# Altium PCB fastic-readout.PcbDoc (part 2 of 6)
Units mm, origin at the board's own origin, x right, y up, seen from the top; angles counter-clockwise.
Board outline 60 x 60 mm, 8 copper layers (Top Layer, L02-GND, L03-PWR, L04- Signal, L05 - Signal, L06-PWR, L07-GND, Bottom Layer), stack 1.566 mm thick; 378 components, 394 nets, 1536 pads, 1082 vias.
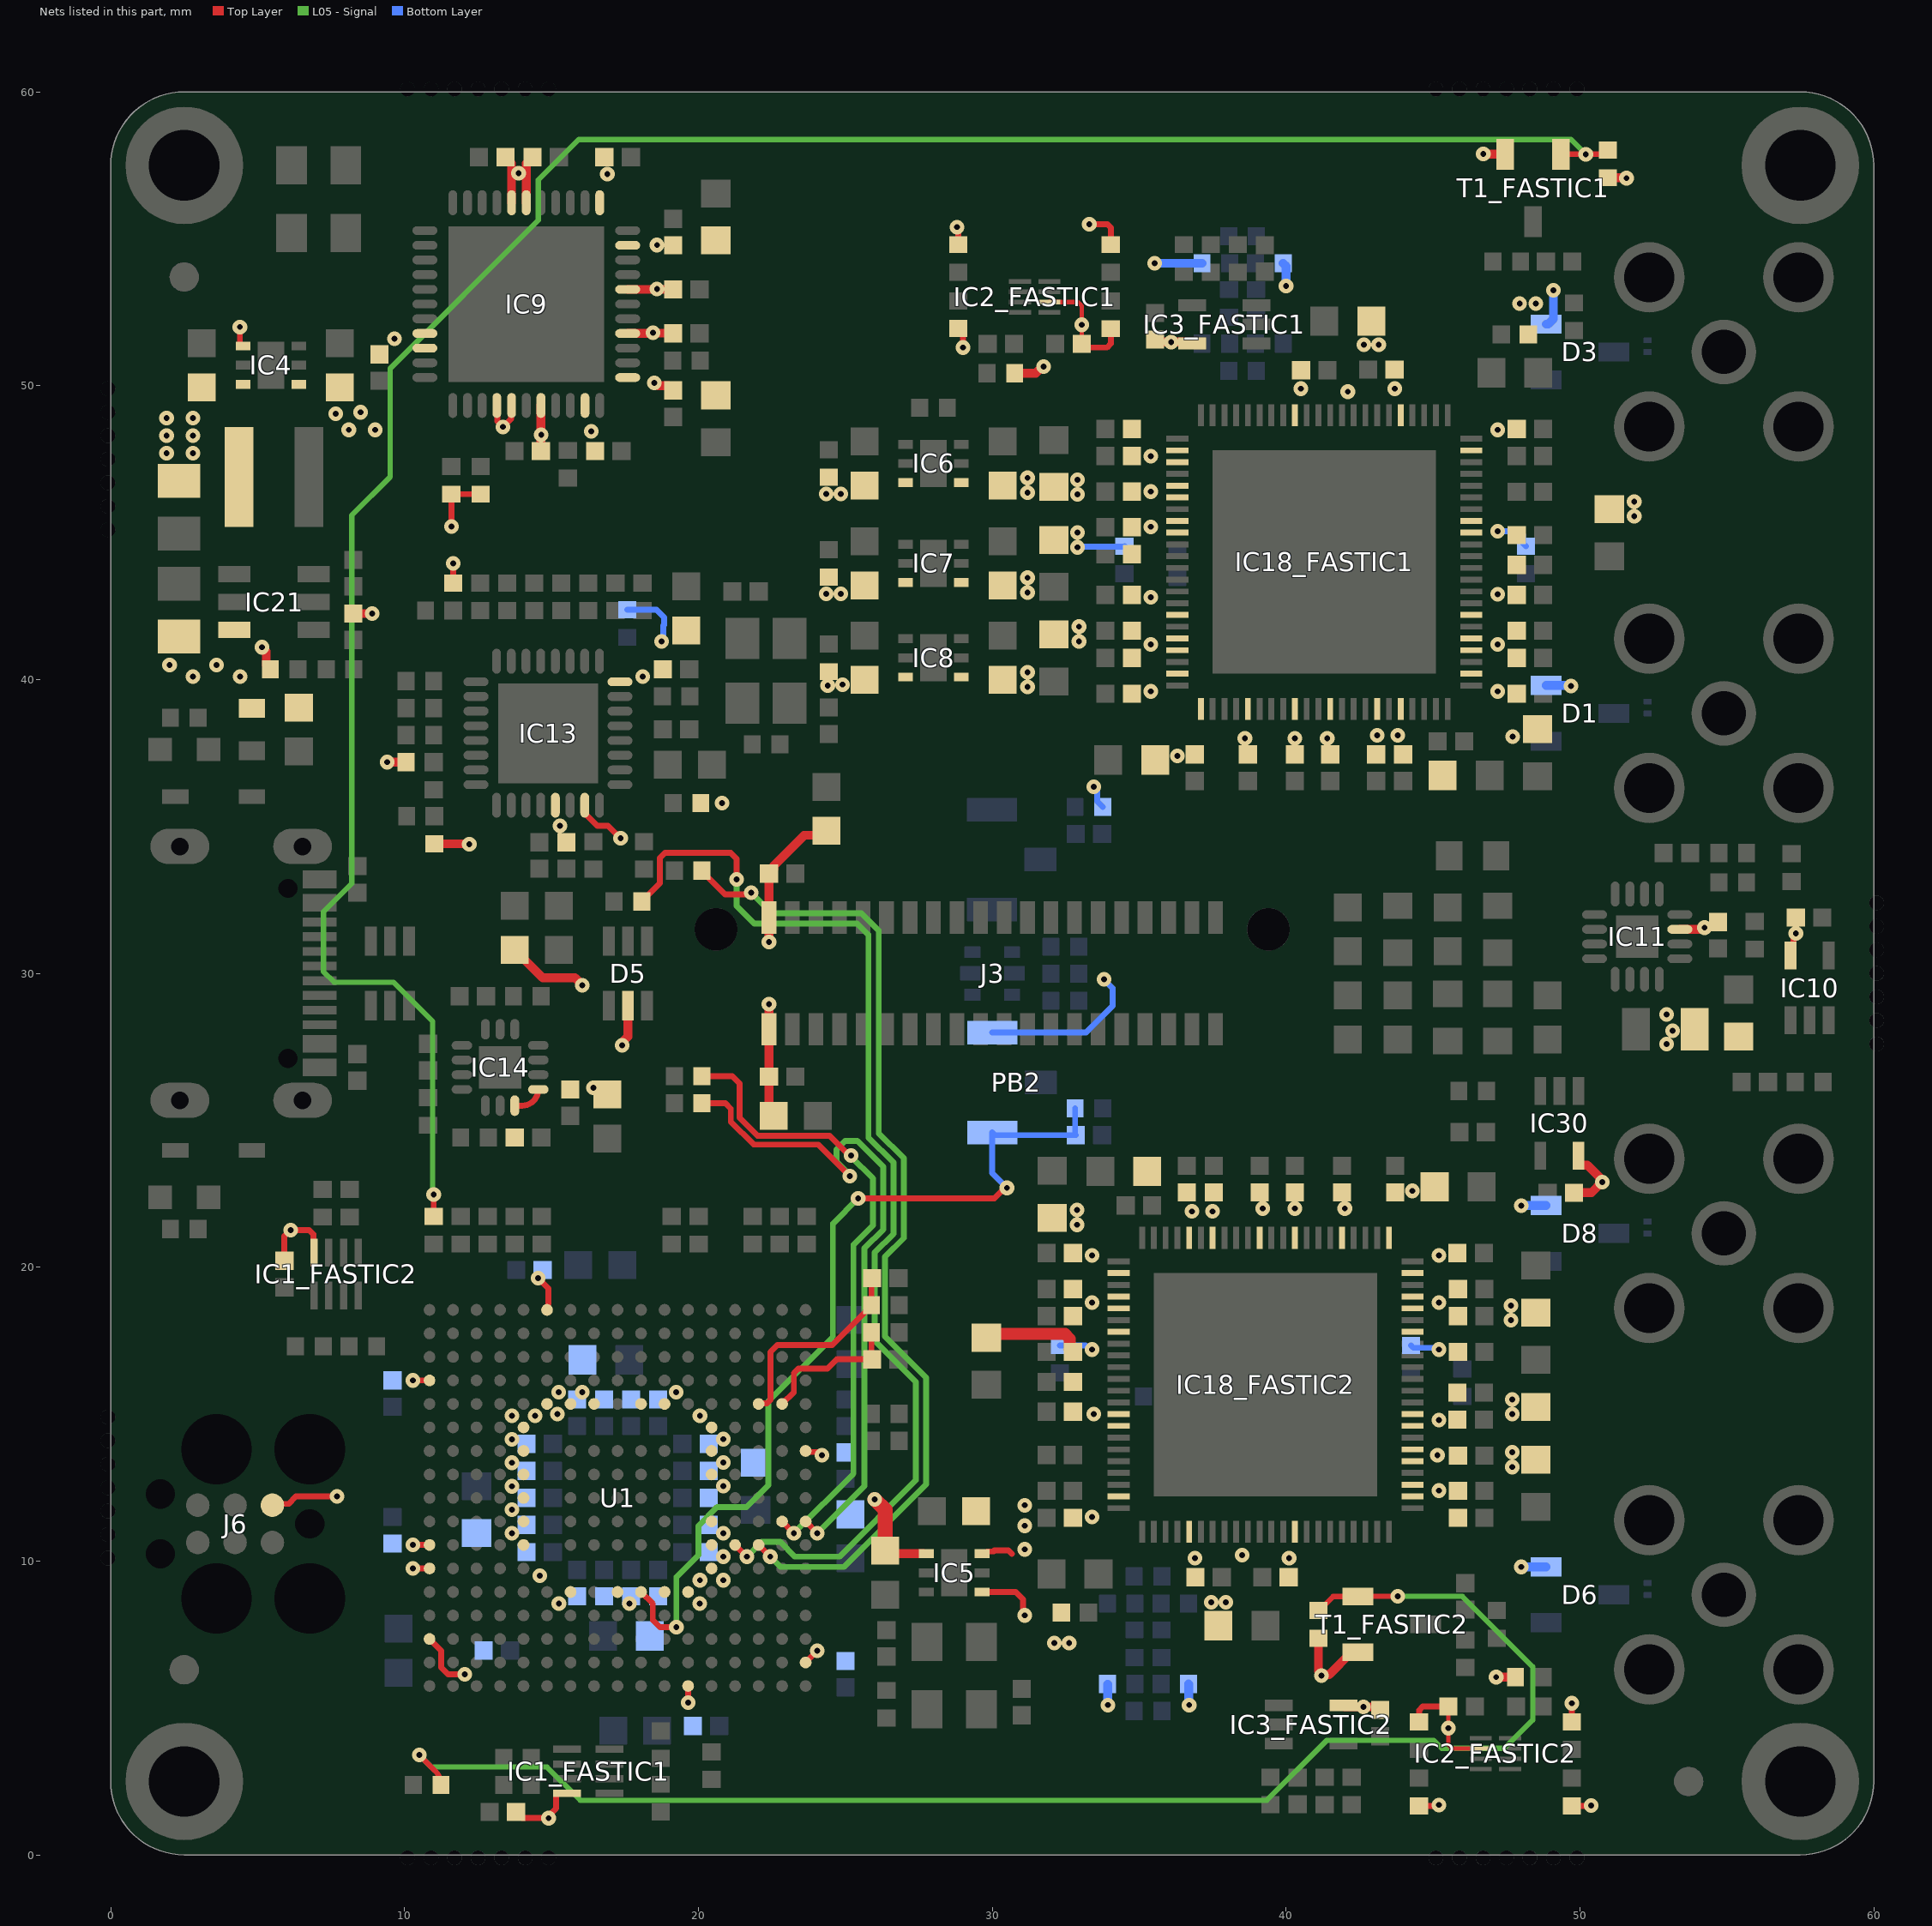
[diagram p8: the nets of this part, all layers, seen from the top]

## Footprints (in the part's own frame and the unit in brackets; to place one, negate y for a bottom-side part, rotate by r counter-clockwise, add the part's x,y. Pads: shape width x height; smd on the part's side, far side on the other; paste and mask are expansions set on the pad) (continued)
RESC1005X40N#2 [mm] "Chip Resistor, EIA 0402, Metric 1005, Body 1.0x0.5mm, IPC Medium Density"
  rect 0.62x0.62 smd: 1(-0.47,0)
  rect 0.58x0.62 smd: 2(0.47,0)
  body extent -0.52,-0.27 0.53,0.28, height 0.4
RESC1608X55N [mm] "Chip Resistor, EIA 0603, Metric 1608, Body 1.6x0.8mm, IPC Medium Density"
  rect 0.9x1 smd: 1(-0.8,0) 2(0.8,0)
  body extent -0.87,-0.47 0.88,0.48, height 0.55
SAMTEC_ERM8-020-X-X-DV [mm]
  rect 0.5x1.1 smd: 01(-7.6,1.9) 02(-7.6,-1.9) 03(-6.8,1.9) 04(-6.8,-1.9) 05(-6,1.9) 06(-6,-1.9) 07(-5.2,1.9) 08(-5.2,-1.9) 09(-4.4,1.9) 10(-4.4,-1.9) 11(-3.6,1.9) 12(-3.6,-1.9) 13(-2.8,1.9) 14(-2.8,-1.9) 15(-2,1.9) 16(-2,-1.9) 17(-1.2,1.9) 18(-1.2,-1.9) 19(-0.4,1.9) 20(-0.4,-1.9) 21(0.4,1.9) 22(0.4,-1.9) 23(1.2,1.9) 24(1.2,-1.9) 25(2,1.9) 26(2,-1.9) 27(2.8,1.9) 28(2.8,-1.9) 29(3.6,1.9) 30(3.6,-1.9) 31(4.4,1.9) 32(4.4,-1.9) 33(5.2,1.9) 34(5.2,-1.9) 35(6,1.9) 36(6,-1.9) 37(6.8,1.9) 38(6.8,-1.9) 39(7.6,1.9) 40(7.6,-1.9)
  round 1.45 hole 1.45 unplated: ""(-9.4,-1.5) ""(9.4,-1.5)
  silkscreen extent -11,-2.8 11,3.6, body extent -11,-2.8 11,2.8, height 12.7
SOD962-2 [mm]
  rect 0.2x0.28 smd paste-0.025 mask-0.025: 1(-0.2,0) 2(0.2,0)
  body extent -0.2,-0.1 0.2,0.1, height 0.15
SOD2512X110N [mm] "Small Outline Diode (SOD-323), 1.70mm W X 1.25mm L X 1.10mm H body,  IPC Medium Density"
  rect 0.9x0.5 smd: 1(-1.3,0) 2(1.3,0)
  silkscreen extent -1.63,-0.65 0.85,0.87, body extent -1.35,-0.67 1.35,0.68, height 1.1
SON35P100X140X40-8N [mm] "SON, 0.35mm pitch, 8 pin, 1.4mm X 1mm X 0.4mm H body,  IPC Medium Density"
  rect 0.75x0.15 smd: 1(-0.5,0.525) 2(-0.5,0.175) 3(-0.5,-0.175) 4(-0.5,-0.525) 5(0.5,-0.525) 6(0.5,-0.175) 7(0.5,0.175) 8(0.5,0.525)
  silkscreen extent -1.48,0.4 -1.23,0.65, body extent -0.52,-0.72 0.53,0.73, height 0.4
SOT65P210X110-5N [mm] "SOT353, SC70-5, SOT, 0.65mm Pitch, 5 Pin, 1.25mm W X 2.00mm L X 1.10mm H, IPC Medium Density"
  rect 0.95x0.4 smd: 1(-1.1,0.65) 2(-1.1,0) 3(-1.1,-0.65) 4(1.1,-0.65) 5(1.1,0.65)
  silkscreen extent -1.43,-1 0.3,1.47, body extent -1.2,-1.1 1.2,1.1, height 1.1
SOT65P220X110-6N [mm] "SOT363, 0.65mm pitch; 6 pin, 1.25mm W X 2mm L, IPC Medium Density"
  rect 1x0.4 smd: 1(-1.1,0.65) 2(-1.1,0) 3(-1.1,-0.65) 4(1.1,-0.65) 5(1.1,0) 6(1.1,0.65)
  silkscreen extent -1.47,-1 0.28,1.48, body extent -1.2,-1.1 1.2,1.1, height 1.1
SOT95P237X112-3N [mm] "SOT, 0.95mm, pitch; 3 pin,1.30mm W X 2.92mm L X 1.12mm H body, IPC Medium Density"
  rect 1.05x0.6 smd: 1(-1.15,0.95) 2(-1.15,-0.95) 3(1.15,0)
  silkscreen extent -1.52,-1.45 0.3,1.88, body extent -1.25,-1.5 1.25,1.5, height 1.1
SOT95P240X110-3N [mm] "SOT23 3-Leads, Pitch 0.95mm, Body 1.3x2.9mm, IPC Medium Density"
  rect 1.05x0.65 smd: 1(-1.15,0.95) 2(-1.15,-0.95) 3(1.15,0)
  silkscreen extent -1.52,-1.45 0.3,1.92, body extent -1.25,-1.5 1.25,1.5, height 1.1
SOT95P280X100-6N [mm]
  rect 1.1x0.55 smd: 1(-1.35,0.95) 2(-1.35,0) 3(-1.35,-0.95) 4(1.35,-0.95) 5(1.35,0) 6(1.35,0.95)
  silkscreen extent -1.77,-1.45 0.48,1.87, body extent -1.4,-1.5 1.4,1.5, height 1
TC2030-MCP [mm] "TAG-CONNECT IN-CIRCUIT Cable Legged"
  round 0.8 smd paste-0.4: 1(-1.27,-0.635) 2(-1.27,0.635) 3(0,-0.635) 4(0,0.635) 5(1.27,-0.635) 6(1.27,0.635)
  round 0.5 hole 2.4 unplated mask+0.95: Mech(-2.54,2.54) Mech(-2.54,-2.54) Mech(0.635,2.54) Mech(0.635,-2.54)
  round 0.5 hole 1 unplated mask+0.25: Mech(-2.54,0) Mech(2.54,-1.016) Mech(2.54,1.016)
  Top Layer keep-out region: -0.876,-0.724 -0.876,-0.241 -1.27,-0.241 -1.27,0.241 -0.876,0.241 -0.876,0.635 -0.394,0.635 -0.394,0.241 0.394,0.241 0.394,0.635 0.876,0.635 0.876,0.241 1.27,0.241 1.27,-0.241 0.876,-0.241 0.876,-0.635 0.394,-0.635 0.394,-0.241 -0.394,-0.241 -0.394,-0.724
TFBGA240+25_STM [mm]
  round 0.4 smd paste+0 mask+0: A1(-6.4,6.4) A2(-5.6,6.4) A3(-4.8,6.4) A4(-4,6.4) A5(-3.2,6.4) A6(-2.4,6.4) A7(-1.6,6.4) A8(-0.8,6.4) A9(0,6.4) A10(0.8,6.4) A11(1.6,6.4) A12(2.4,6.4) A13(3.2,6.4) A14(4,6.4) A15(4.8,6.4) A16(5.6,6.4) A17(6.4,6.4) B1(-6.4,5.6) B2(-5.6,5.6) B3(-4.8,5.6) B4(-4,5.6) B5(-3.2,5.6) B6(-2.4,5.6) B7(-1.6,5.6) B8(-0.8,5.6) B9(0,5.6) B10(0.8,5.6) B11(1.6,5.6) B12(2.4,5.6) B13(3.2,5.6) B14(4,5.6) B15(4.8,5.6) B16(5.6,5.6) B17(6.4,5.6) C1(-6.4,4.8) C2(-5.6,4.8) C3(-4.8,4.8) C4(-4,4.8) C5(-3.2,4.8) C6(-2.4,4.8) C7(-1.6,4.8) C8(-0.8,4.8) C9(0,4.8) C10(0.8,4.8) C11(1.6,4.8) C12(2.4,4.8) C13(3.2,4.8) C14(4,4.8) C15(4.8,4.8) C16(5.6,4.8) C17(6.4,4.8) D1(-6.4,4) D2(-5.6,4) D3(-4.8,4) D4(-4,4) D5(-3.2,4) D6(-2.4,4) D7(-1.6,4) D8(-0.8,4) D9(0,4) D10(0.8,4) D11(1.6,4) D12(2.4,4) D13(3.2,4) D14(4,4) D15(4.8,4) D16(5.6,4) D17(6.4,4) E1(-6.4,3.2) E2(-5.6,3.2) E3(-4.8,3.2) E4(-4,3.2) E5(-3.2,3.2) E6(-2.4,3.2) E7(-1.6,3.2) E8(-0.8,3.2) E9(0,3.2) E10(0.8,3.2) E11(1.6,3.2) E12(2.4,3.2) E13(3.2,3.2) E14(4,3.2) E15(4.8,3.2) E16(5.6,3.2) E17(6.4,3.2) F1(-6.4,2.4) F2(-5.6,2.4) F3(-4.8,2.4) F4(-4,2.4) F5(-3.2,2.4) F13(3.2,2.4) F14(4,2.4) F15(4.8,2.4) F16(5.6,2.4) F17(6.4,2.4) G1(-6.4,1.6) G2(-5.6,1.6) G3(-4.8,1.6) G4(-4,1.6) G5(-3.2,1.6) G7(-1.6,1.6) G8(-0.8,1.6) G9(0,1.6) G10(0.8,1.6) G11(1.6,1.6) G13(3.2,1.6) G14(4,1.6) G15(4.8,1.6) G16(5.6,1.6) G17(6.4,1.6) H1(-6.4,0.8) H2(-5.6,0.8) H3(-4.8,0.8) H4(-4,0.8) H5(-3.2,0.8) H7(-1.6,0.8) H8(-0.8,0.8) H9(0,0.8) H10(0.8,0.8) H11(1.6,0.8) H13(3.2,0.8) H14(4,0.8) H15(4.8,0.8) H16(5.6,0.8) H17(6.4,0.8) J1(-6.4,0) J2(-5.6,0) J3(-4.8,0) J4(-4,0) J5(-3.2,0) J7(-1.6,0) J8(-0.8,0) J9(0,0) J10(0.8,0) J11(1.6,0) J13(3.2,0) J14(4,0) J15(4.8,0) J16(5.6,0) J17(6.4,0) K1(-6.4,-0.8) K2(-5.6,-0.8) K3(-4.8,-0.8) K4(-4,-0.8) K5(-3.2,-0.8) K7(-1.6,-0.8) K8(-0.8,-0.8) K9(0,-0.8) K10(0.8,-0.8) K11(1.6,-0.8) K13(3.2,-0.8) K14(4,-0.8) K15(4.8,-0.8) K16(5.6,-0.8) K17(6.4,-0.8) L1(-6.4,-1.6) L2(-5.6,-1.6) L3(-4.8,-1.6) L4(-4,-1.6) L5(-3.2,-1.6) L7(-1.6,-1.6) L8(-0.8,-1.6) L9(0,-1.6) L10(0.8,-1.6) L11(1.6,-1.6) L13(3.2,-1.6) L14(4,-1.6) L15(4.8,-1.6) L16(5.6,-1.6) L17(6.4,-1.6) M1(-6.4,-2.4) M2(-5.6,-2.4) M3(-4.8,-2.4) M4(-4,-2.4) M5(-3.2,-2.4) M13(3.2,-2.4) M14(4,-2.4) M15(4.8,-2.4) M16(5.6,-2.4) M17(6.4,-2.4) N1(-6.4,-3.2) N2(-5.6,-3.2) N3(-4.8,-3.2) N4(-4,-3.2) N5(-3.2,-3.2) N6(-2.4,-3.2) N7(-1.6,-3.2) N8(-0.8,-3.2) N9(0,-3.2) N10(0.8,-3.2) N11(1.6,-3.2) N12(2.4,-3.2) N13(3.2,-3.2) N14(4,-3.2) N15(4.8,-3.2) N16(5.6,-3.2) N17(6.4,-3.2) P1(-6.4,-4) P2(-5.6,-4) P3(-4.8,-4) P4(-4,-4) P5(-3.2,-4) P6(-2.4,-4) P7(-1.6,-4) P8(-0.8,-4) P9(0,-4) P10(0.8,-4) P11(1.6,-4) P12(2.4,-4) P13(3.2,-4) P14(4,-4) P15(4.8,-4) P16(5.6,-4) P17(6.4,-4) R1(-6.4,-4.8) R2(-5.6,-4.8) R3(-4.8,-4.8) R4(-4,-4.8) R5(-3.2,-4.8) R6(-2.4,-4.8) R7(-1.6,-4.8) R8(-0.8,-4.8) R9(0,-4.8) R10(0.8,-4.8) R11(1.6,-4.8) R12(2.4,-4.8) R13(3.2,-4.8) R14(4,-4.8) R15(4.8,-4.8) R16(5.6,-4.8) R17(6.4,-4.8) T1(-6.4,-5.6) T2(-5.6,-5.6) T3(-4.8,-5.6) T4(-4,-5.6) T5(-3.2,-5.6) T6(-2.4,-5.6) T7(-1.6,-5.6) T8(-0.8,-5.6) T9(0,-5.6) T10(0.8,-5.6) T11(1.6,-5.6) T12(2.4,-5.6) T13(3.2,-5.6) T14(4,-5.6) T15(4.8,-5.6) T16(5.6,-5.6) T17(6.4,-5.6) U1(-6.4,-6.4) U2(-5.6,-6.4) U3(-4.8,-6.4) U4(-4,-6.4) U5(-3.2,-6.4) U6(-2.4,-6.4) U7(-1.6,-6.4) U8(-0.8,-6.4) U9(0,-6.4) U10(0.8,-6.4) U11(1.6,-6.4) U12(2.4,-6.4) U13(3.2,-6.4) U14(4,-6.4) U15(4.8,-6.4) U16(5.6,-6.4) U17(6.4,-6.4)
  silkscreen extent -7.75,-7.33 7.33,7.75, body extent -7.07,-7.07 7.07,7.07, height 1.1
TPS746 [mm]
  rect 0.5x0.3 smd: 1(-0.95,0.65) 2(-0.95,0) 3(-0.95,-0.65) 4(0.95,-0.65) 5(0.95,0) 6(0.95,0.65)
  rect 0.9x1.6 smd: 7(0,0)
  silkscreen extent -1.63,1.03 -1.38,1.27, body extent -1.05,-1.05 1.05,1.05, height 0.77
XTAL_EPSON_TSX-3225 [mm] "Crystal TSX-3225 Serie, Corner Concave; 4 pin, 2.50mm L X 3.2mm W X 0.6mm H"
  rect 1.15x1.4 smd: 1(-0.8,1.1) 2(-0.8,-1.1) 3(0.8,-1.1) 4(0.8,1.1)
  silkscreen extent -1.48,2.28 -1.23,2.52, body extent -1.25,-1.6 1.25,1.6, height 0.6
XTAL_KYOCERA_CX3225SB [mm] "SMD Crystal Kyocera, 4 Pin, 3.2mm L X 2.5mm W X 0.6mm H"
  rect 1.05x1.3 smd: 1(-0.925,1.15) 2(-0.925,-1.15) 3(0.925,-1.15) 4(0.925,1.15)
  silkscreen extent -2.13,-1.65 1.3,1.72, body extent -1.3,-1.65 1.3,1.65, height 0.6

## Part data
C1 C2 C8_FASTIC1 C8_FASTIC2 C9_FASTIC1 C9_FASTIC2 C10_FASTIC1 C10_FASTIC2 C11_FASTIC1 C11_FASTIC2 C12 C13 C14 C15 C16 C17 C35 C36 C37 C38 C40 C41 C42 C43 C44 C45 C48 C49 C51_FASTIC1 C51_FASTIC2 C52_FASTIC1 C52_FASTIC2 C53_FASTIC1 C53_FASTIC2 C54_FASTIC1 C54_FASTIC2 C55_FASTIC1 C55_FASTIC2 C56_FASTIC1 C56_FASTIC2 C57_FASTIC1 C57_FASTIC2 C58_FASTIC1 C58_FASTIC2 C61_FASTIC1 C61_FASTIC2 C62_FASTIC1 C62_FASTIC2 C63_FASTIC1 C63_FASTIC2 C64_FASTIC1 C64_FASTIC2 C65_FASTIC1 C65_FASTIC2 C66_FASTIC1 C66_FASTIC2 C70_FASTIC1 C70_FASTIC2 C71_FASTIC1 C71_FASTIC2 C72_FASTIC1 C72_FASTIC2 C73_FASTIC1 C73_FASTIC2 C75 C77_FASTIC1 C77_FASTIC2 C78_FASTIC1 C78_FASTIC2 C80_FASTIC1 C80_FASTIC2 C81_FASTIC1 C81_FASTIC2 C83_FASTIC1 C83_FASTIC2 C84_FASTIC1 C84_FASTIC2 C88 C90 C92 C93 C99 C101 C105 C106 C107 C108 C109 C110 C111 C112 C113 C114 C115 C116 C117 C119 C121 C122 C127 C128 C132 C137 C138 C139 C140 C141 C142 C145: library part CC0402_100NF_16V_10%_X7R, "Non-polarised capacitor", Case=0402, Manufacturer=GENERIC, Manufacturer1 ComponentHeight=0.55mm, Manufacturer1 Example=MURATA, Manufacturer1 Part Number=GRM155R71C104KA88D, Tolerance=±10%, Voltage=16V, Author="CERN DEM JLC", Component Type=Standard, HelpURL=\\cern.ch\dfs\Applications\Altium\Datasheets\CC0402_X7R_MURATA_GRM.pdf, Manufacturer Part Number=CC0402_100NF_16V_10%_X7R, Mounted=Yes, Part Description="SMD Multilayer Chip Ceramic Capacitor", Part Number=CC0402_100NF_16V_10%_X7R, Pin Count=2, Sense=No, SMD=Yes, Socket=No, Status="Not Recommended", TC=X7R
  C1 C2 C8_FASTIC1 C8_FASTIC2 C9_FASTIC1 C9_FASTIC2 C10_FASTIC1 C10_FASTIC2 C11_FASTIC1 C11_FASTIC2 C12 C13 C14 C15 C16 C17 C35 C36 C37 C38 C40 C41 C42 C43 C44 C45 C51_FASTIC1 C51_FASTIC2 C52_FASTIC1 C52_FASTIC2 C53_FASTIC1 C53_FASTIC2 C54_FASTIC1 C54_FASTIC2 C55_FASTIC1 C55_FASTIC2 C56_FASTIC1 C56_FASTIC2 C57_FASTIC1 C57_FASTIC2 C58_FASTIC1 C58_FASTIC2 C61_FASTIC1 C61_FASTIC2 C62_FASTIC1 C62_FASTIC2 C63_FASTIC1 C63_FASTIC2 C64_FASTIC1 C64_FASTIC2 C65_FASTIC1 C65_FASTIC2 C66_FASTIC1 C66_FASTIC2 C70_FASTIC1 C70_FASTIC2 C71_FASTIC1 C71_FASTIC2 C72_FASTIC1 C72_FASTIC2 C73_FASTIC1 C73_FASTIC2 C77_FASTIC1 C77_FASTIC2 C78_FASTIC1 C78_FASTIC2 C80_FASTIC1 C80_FASTIC2 C81_FASTIC1 C81_FASTIC2 C83_FASTIC1 C83_FASTIC2 C84_FASTIC1 C84_FASTIC2 C90 C92 C93 C99 C101 C105 C106 C107 C108 C109 C110 C111 C112 C113 C114 C115 C116 C117 C119 C121 C122 C127 C128 C132 C137 C138 C139 C140 C141 C142: CreateDate=12/5/2013, LatestRevisionDate=12/3/2007
  C48 C49 C75 C88 C145: CreateDate=05/12/2013, LatestRevisionDate=03/12/2007
C3 C4 C25 C26 C27 C28 C29 C30 C31 C32 C33 C34 C94 C96 C100 C102 C118 C120 C124 C126 C129 C133 C136: library part CC0603_2.2UF_10V_20%_X7R, "Non-polarised capacitor", Case=0603, Manufacturer=GENERIC, Manufacturer1 ComponentHeight=0.9mm, Manufacturer1 Example="TAIYO YUDEN", Manufacturer1 Part Number=LMK107B7225MA-T, Tolerance=±20%, Voltage=10V, Author="CERN DEM JLC", Component Type=Standard, CreateDate=6/22/2011, HelpURL=\\cern.ch\dfs\Applications\Altium\Datasheets\CC0603_X7R_TAIYO-YUDEN_HIGH-VALUE.pdf, LatestRevisionDate=6/27/2011, Manufacturer Part Number=CC0603_2.2UF_10V_20%_X7R, Mounted=Yes, Part Description="SMD Multilayer Chip Ceramic Capacitor", Part Number=CC0603_2.2UF_10V_20%_X7R, Pin Count=2, Sense=No, SMD=Yes, Socket=No, Status="Not Recommended", TC=X7R
C5 C6 C50: library part CC0603_100NF_100V_10%_X7R, "Non-polarised capacitor", Case=0603, Manufacturer=GENERIC, Manufacturer1 ComponentHeight=0.9mm, Manufacturer1 Example=MURATA, Manufacturer1 Part Number=GRM188R72A104KA35D, Tolerance=±10%, Voltage=100V, Author="CERN DEM JLC", Component Type=Standard, CreateDate=12/11/2013, HelpURL=\\cern.ch\dfs\Applications\Altium\Datasheets\CC0603_MURATA_GRM188R72A104KA35D.pdf, LatestRevisionDate=12/11/2013, Manufacturer Part Number=CC0603_100NF_100V_10%_X7R, Mounted=Yes, Part Description="SMD Multilayer Chip Ceramic Capacitor", Part Number=CC0603_100NF_100V_10%_X7R, Pin Count=2, Sense=No, SMD=Yes, Socket=No, Status=None, TC=X7R
C7_FASTIC1 C7_FASTIC2: library part CC0402_470PF_50V_10%_X7R, "Non-polarised capacitor", Case=0402, Manufacturer=GENERIC, Manufacturer1 ComponentHeight=0.55mm, Manufacturer1 Example=PHYCOMP, Manufacturer1 Part Number=223858715618, Tolerance=±10%, Voltage=50V, Author="CERN DEM JLC", Component Type=Standard, CreateDate=12/3/2007, HelpURL=\\cern.ch\dfs\Applications\Altium\Datasheets\CC0402_NP0_PHYCOMP.pdf, LatestRevisionDate=12/3/2007, Manufacturer Part Number=CC0402_470PF_50V_10%_X7R, Mounted=Yes, Part Description="SMD Multilayer Chip Ceramic Capacitor", Part Number=CC0402_470PF_50V_10%_X7R, Pin Count=2, Sense=No, SMD=Yes, Socket=No, Status="Not Recommended", TC=X7R
C18 C19 C20 C21 C39 C46 C47_FASTIC1 C47_FASTIC2 C59_FASTIC1 C59_FASTIC2 C60_FASTIC1 C60_FASTIC2 C67_FASTIC1 C67_FASTIC2 C68_FASTIC1 C68_FASTIC2 C74_FASTIC1 C74_FASTIC2 C76 C79_FASTIC1 C79_FASTIC2 C82_FASTIC1 C82_FASTIC2 C85_FASTIC1 C85_FASTIC2: library part CC0603_4.7UF_6.3V_10%_X5R, "Non-polarised capacitor", Case=0603, Manufacturer=GENERIC, Manufacturer1 ComponentHeight=0.87mm, Manufacturer1 Example=PHYCOMP, Manufacturer1 Part Number=225520613672, Tolerance=±10%, Voltage=6.3V, Author="CERN DEM JLC", Component Type=Standard, CreateDate=12/3/2007, HelpURL=\\cern.ch\dfs\Applications\Altium\Datasheets\CC0805_X5R_PHYCOMP_HC.pdf, LatestRevisionDate=12/3/2007, Manufacturer Part Number=CC0603_4.7UF_6.3V_10%_X5R, Mounted=Yes, Part Description="SMD Multilayer Chip Ceramic Capacitor", Part Number=CC0603_4.7UF_6.3V_10%_X5R, Pin Count=2, Sense=No, SMD=Yes, Socket=No, Status=Preferred, TC=X5R
C22_FASTIC1 C22_FASTIC2 C23_FASTIC1 C23_FASTIC2 C69_FASTIC1 C69_FASTIC2 C147_FASTIC1 C147_FASTIC2 C148_FASTIC1 C148_FASTIC2: library part CC0402_10NF_50V_10%_X7R, "Non-polarised capacitor", Case=0402, Manufacturer=GENERIC, Manufacturer1 ComponentHeight=0.55mm, Manufacturer1 Example=MURATA, Manufacturer1 Part Number=GRM155R71H103KA88D, Tolerance=±10%, Voltage=50V, Author="CERN DEM MR", Component Type=Standard, CreateDate=1/8/2016, HelpURL=\\cern.ch\dfs\Applications\Altium\Datasheets\CC0402_X7R_MURATA_GRM.pdf, LatestRevisionDate=1/8/2016, Manufacturer Part Number=CC0402_10NF_50V_10%_X7R, Mounted=Yes, Part Description="SMD Multilayer Chip Ceramic Capacitor", Part Number=CC0402_10NF_50V_10%_X7R, Pin Count=2, Sense=No, SMD=Yes, Socket=No, Status=None, TC=X7R
C24 C146: library part CC0402_100PF_50V_5%_C0G, "Non-polarised capacitor", Case=0402, Manufacturer=GENERIC, Manufacturer1 ComponentHeight=0.55mm, Manufacturer1 Example=KEMET, Manufacturer1 Part Number=C0402C101J5GACTU, Tolerance=±5%, Voltage=50V, Author="CERN DEM JLC", Component Type=Standard, CreateDate=12/3/2007, HelpURL="\\cern.ch\dfs\Applications\Altium\Datasheets\CC0402_C0G_KEMET_(Commercial Grade).pdf", LatestRevisionDate=4/22/2015, Manufacturer Part Number=CC0402_100PF_50V_5%_C0G, Mounted=Yes, Part Description="SMD Multilayer Chip Ceramic Capacitor", Part Number=CC0402_100PF_50V_5%_C0G, Pin Count=2, Sense=No, SMD=Yes, Socket=No, Status=Preferred, TC=C0G/NP0
C86: library part CC0603_10NF_100V_10%_X7R_YUDEN_HMK107B7103KAHT, "Non-polarised capacitor", Case=0603, Manufacturer="TAIYO YUDEN", Manufacturer Part Number=HMK107B7103KAHT, Tolerance=±10%, Voltage=100V, Author="CERN DEM JLC", Component Type=Standard, ComponentHeight=0.9mm, CreateDate=5/10/2017, HelpURL=\\cern.ch\dfs\Applications\Altium\Datasheets\CC0603_TAIYO-YUDEN_HMK107B7103KAHT.pdf, LatestRevisionDate=5/10/2017, Mounted=Yes, Part Description="SMD Multilayer Chip Ceramic Capacitor for Automotive / Industrial Applications", Part Number=CC0603_10NF_100V_10%_X7R_YUDEN_HMK107B7103KAHT, Pin Count=2, Sense=No, SMD=Yes, Socket=No, Status="Not Recommended", TC=X7R
C87: library part CC0603_220NF_50V_10%_X7R, "Non-polarised capacitor", Case=0603, Manufacturer=GENERIC, Manufacturer1 ComponentHeight=0.9mm, Manufacturer1 Example=TDK, Manufacturer1 Part Number=C1608X7R1H224K080, Tolerance=±10%, Voltage=100V, Author="CERN DEM HF", Component Type=Standard, CreateDate=11/18/2021, HelpURL=\\cern.ch\dfs\Applications\Altium\Datasheets\CC0603_X7R_TDK_C.pdf, LatestRevisionDate=11/18/2021, Manufacturer Part Number=CC0603_220NF_50V_10%_X7R, Mounted=Yes, Part Description="SMD Multilayer Chip Ceramic Capacitor", Part Number=CC0603_220NF_50V_10%_X7R, Pin Count=2, Sense=No, SMD=Yes, Socket=No, Status=None, TC=X7R
C89: library part CC0402_330NF_35V_20%_X5R, "Non-polarised capacitor", Case=0402, Manufacturer=GENERIC, Manufacturer1 ComponentHeight=0.55mm, Manufacturer1 Example=TDK, Manufacturer1 Part Number=C1005X5R1V334M050, Tolerance=±20%, Voltage=35V, Author="CERN DEM MR", Component Type=Standard, CreateDate=9/13/2016, HelpURL=\\cern.ch\dfs\Applications\Altium\Datasheets\CC0402_X5R_TDK_C.pdf, LatestRevisionDate=9/13/2016, Manufacturer Part Number=CC0402_330NF_35V_20%_X5R, Mounted=Yes, Part Description="SMD Multilayer Chip Ceramic Capacitor", Part Number=CC0402_330NF_35V_20%_X5R, Pin Count=2, Sense=No, SMD=Yes, Socket=No, Status=Preferred, TC=X5R
C95: library part CC0805_10UF_35V_10%_X5R_MURATA_GRM21BR6YA106KE43L, "Non-polarised capacitor", Case=0805, Manufacturer=MURATA, Manufacturer Part Number=GRM21BR6YA106KE43, Tolerance=±10%, Voltage=35V, Author="CERN DEM BC", Component Type=Standard, ComponentHeight=1.45mm, CreateDate=3/24/2020, HelpURL=\\cern.ch\dfs\Applications\Altium\Datasheets\CC0805_MURATA_GRM21BR6YA106KE43L.pdf, LatestRevisionDate=3/24/2020, Mounted=Yes, Part Description="Chip Multilayer Ceramic Capacitor for General Purpose", Part Number=CC0805_10UF_35V_10%_X5R_MURATA_GRM21BR6YA106KE43L, Pin Count=2, Sense=No, SMD=Yes, Socket=No, Status="Not Recommended", TC=X5R
C97: library part CC0805_22UF_25V_20%_X5R_MURATA_GRM21BR61E226ME44, "Non-polarised capacitor", Case=0805, Manufacturer=MURATA, Manufacturer Part Number=GRM21BR61E226ME44, Tolerance=±20%, Voltage=25V, Author="CERN DEM BC", Component Type=Standard, ComponentHeight=1.45mm, CreateDate=10/6/2020, HelpURL=\\cern.ch\dfs\Applications\Altium\Datasheets\CC0805_MURATA_GRM21BR61E226ME44.pdf, LatestRevisionDate=10/6/2020, Mounted=Yes, Part Description="Chip Multilayer Ceramic Capacitor for General Purpose", Part Number=CC0805_22UF_25V_20%_X5R_MURATA_GRM21BR61E226ME44, Pin Count=2, Sense=No, SMD=Yes, Socket=No, Status="Not Recommended", TC=X5R
C103 C104 C130 C131: library part CC0402_3.3PF_50V_0.25PF_C0G, "Non-polarised capacitor", Case=0402, Manufacturer=GENERIC, Manufacturer1 ComponentHeight=0.55mm, Manufacturer1 Example=KEMET, Manufacturer1 Part Number=C0402C339C5GACTU, Tolerance=±0.25pF, Voltage=50V, Author="CERN DEM JLC", Component Type=Standard, CreateDate=12/3/2007, HelpURL="\\cern.ch\dfs\Applications\Altium\Datasheets\CC0402_C0G_KEMET_(Commercial Grade).pdf", LatestRevisionDate=4/22/2015, Manufacturer Part Number=CC0402_3.3PF_50V_0.25PF_C0G, Mounted=Yes, Part Description="SMD Multilayer Chip Ceramic Capacitor", Part Number=CC0402_3.3PF_50V_0.25PF_C0G, Pin Count=2, Sense=No, SMD=Yes, Socket=No, Status=Preferred, TC=C0G/NP0
C134 C135: library part CC0402_220PF_50V_5%_C0G, "Non-polarised capacitor", Case=0402, Manufacturer=GENERIC, Manufacturer1 ComponentHeight=0.55mm, Manufacturer1 Example=KEMET, Manufacturer1 Part Number=C0402C221J5GACTU, Tolerance=±5%, Voltage=50V, Author="CERN DEM JLC", Component Type=Standard, CreateDate=12/3/2007, HelpURL="\\cern.ch\dfs\Applications\Altium\Datasheets\CC0402_C0G_KEMET_(Commercial Grade).pdf", LatestRevisionDate=4/22/2015, Manufacturer Part Number=CC0402_220PF_50V_5%_C0G, Mounted=Yes, Part Description="SMD Multilayer Chip Ceramic Capacitor", Part Number=CC0402_220PF_50V_5%_C0G, Pin Count=2, Sense=No, SMD=Yes, Socket=No, Status=Preferred, TC=C0G/NP0
D1 D3 D6 D8: "Serial Diode", Case=SOT23-3, Manufacturer="FAIRCHILD SEMICONDUCTOR", Power=350mW, Voltage=70V, Author="CERN DEM JLC", Bonding=No, Component Type=Standard, ComponentHeight=1.1mm, CreateDate=5/6/2008, Device=BAV99, HelpURL=\\cern.ch\dfs\Applications\Altium\Datasheets\BAV99.pdf, LatestRevisionDate=9/27/2012, Manufacturer Part Number=BAV99, Mounted=Yes, PackageDescription="SOT, 0.95mm Pitch; 3 Pin, 1.40mm W X 3.00mm L X 1.10mm H body, IPC Medium Density", Part Description="Dual Series Signal Diode", Part Number=BAV99, Pin Count=3, PressFit=No, Sense=No, SMD=Yes, Socket=No
D2 D4 D7 D9: library part PESD1V2Y1BSF
D5 D11: "Integrated Quad Ultra-Low Capacitance ESD Protection", Case=SOT363, Manufacturer="DIODES INCORPORATED", Voltage=8kV, Author="CERN DEM HF", Bonding=No, Component Type=Standard, ComponentHeight=2.1mm, CreateDate=11/28/2022, Device=D3V3F4U6S, HelpURL=\\cern.ch\dfs\Applications\Altium\Datasheets\D3V3F4U6S.pdf, LatestRevisionDate=11/28/2022, Manufacturer Part Number=D3V3F4U6S, Mounted=Yes, PackageDescription="SOT363, SC70-6, 0.65mm Pitch; 6 pin, 1.25mm W X 2.00mm L X 1.10mm H body, IPC Medium Density", Part Description="0.85pF 4 Channel Low Capacitance TVS Diode Array ESD", Part Number=D3V3F4U6S, Pin Count=6, PressFit=No, Sense=No, SMD=Yes, Socket=No
D10 D12: "Transient Voltage Suppressor Diode (Uni-Directional)", Case=SOD323, Manufacturer="NXP SEMICONDUCTORS", Power=890W, Voltage=5V, Author="CERN DEM JLC", Bonding=No, Component Type=Standard, ComponentHeight=1.1mm, CreateDate=8/28/2012, Device=PESD5V0S1UA, HelpURL=\\cern.ch\dfs\Applications\Altium\Datasheets\PESD5V0S1UA.pdf, LatestRevisionDate=9/18/2013, Manufacturer Part Number=PESD5V0S1UA, Mounted=Yes, PackageDescription="Small Outline Diode (SOD-323), 1.70mm W X 1.25mm L X 1.10mm H body,  IPC Medium Density", Part Description="Unidirectional ESD Protection for Transient Voltage Suppression", Part Number=PESD5V0S1UA, Pin Count=2, PressFit=No, Sense=No, SMD=Yes, Socket=No
F1: library part FUS0603_BOURNS-SF-0603F050-2, "Fuse", Case=0603, Manufacturer=BOURNS, Manufacturer Part Number=SF-0603F050-2, Author="CERN DEM JLC", Component Type=Standard, ComponentHeight=0.55mm, CreateDate=2/1/2017, Family=Fuse, HelpURL=\\cern.ch\dfs\Applications\Altium\Datasheets\FUSC_BOURNS_SF-0603F.pdf, LatestRevisionDate=2/1/2017, Mounted=Yes, PackageDescription="Chip Fuse, 2-Leads, Body 1.6mm x 0.8mm, IPC Medium Density", Part Description="Fast Acting Thin Film Chip Fuse for Overcurrent Protection, SinglFuse™ SF-0603F  Series", Part Number=FUS0603_BOURNS-SF-0603F050-2, Pin Count=2, PressFit=No, Sense=No, SMD=Yes, Socket=No
FTG1 FTG2 FTG3 FTG4 FTG5 FTG6: library part FIDUCIAL_TARGET_C100-200, "Fiducial Target", Author="CERN DEM JLC", Component Type="Standard (No BOM)", ComponentHeight=0mm, CreateDate=2/9/2010, Family=Fiducial, HelpURL=Undefined, LatestRevisionDate=4/4/2012, Mounted=No, PackageDescription="Round Fiducial Target, Top Layer, 1.0mm, Top Solder 2.0mm, Keepout =2.0mm", Part Description="Round Fiducial Target, Top Layer, 1.0mm, Top Solder 2.0mm, Keepout =2.0mm", Part Number=FIDUCIAL_TARGET_C100-200, Pin Count=1, Sense=No, SMD=Yes, Socket=No, Status=None
H1 H2 H3 H4: library part PLATED_HOLE2.4_PAD4.0, "Single Terminal Socket", Author="CERN DEM JMW", Component Type="Standard (No BOM)", ComponentHeight=0mm, CreateDate=10/10/2011, Family="Plated Hole", HelpURL=Undefined, LatestRevisionDate=10/10/2011, Mounted=No, PackageDescription="Plated Through Hole: Hole Dia.=2.4mm Pad Dia.=4.0mm", Part Description="Plated Through Hole: Hole Dia.=2.4mm Pad Dia.=4.0mm", Part Number=PLATED_HOLE2.4_PAD4.0, Pin Count=1, Sense=No, SMD=No, Socket=No, Status=None
IC3_FASTIC1 IC3_FASTIC2 IC10 IC30: "Operational Amplifier", Case=SOT353, Manufacturer="ANALOG DEVICES", Manufacturer Part Number=AD8541AKS, Author="CERN DEM JLC", Bonding=No, Component Type=Standard, ComponentHeight=1.1mm, CreateDate=4/25/2012, Device=AD8541AKSZ-R2, HelpURL=\\cern.ch\dfs\Applications\Altium\Datasheets\AD8541AKSZ-R2.pdf, LatestRevisionDate=3/29/2022, Mounted=Yes, PackageDescription="SOT353, SC70-5, SOT, 0.65mm Pitch; 5 Pin, 1.25mm W X 2.00mm L X 1.10mm H body, IPC Medium Density", Part Description="CMOS Rail-to-Rail General-Purpose Amplifier", Part Number=AD8541AKSZ-R2, Pin Count=5, PressFit=No, Sense=No, SMD=Yes, Socket=No
IC9: "Low-Jitter, 4-Output, Any-Frequency, Any-Output Clock Generator", Case=QFN44, Manufacturer="SILICON LABS", Author="CERN DEM JLC", Bonding=No, Component Type=Standard, ComponentHeight=0.9mm, CreateDate=12/14/2017, Device=SI5340B-D-GM, HelpURL=\\cern.ch\dfs\Applications\Altium\Datasheets\SI5340B-D-GM.pdf, LatestRevisionDate=12/14/2017, Manufacturer Part Number=SI5340B-D-GM, Mounted=Yes, PackageDescription="QFN, 0.50mm Pitch, Square; 44 Pin, 7.00mm L X 7.00mm W X 0.90mm H body (w/Thermal Tab 5.30 X 5.30mm), IPC Medium Density", Part Description="Low-Jitter, 4-Output, Any-Frequency, Any-Output Clock Generator", Part Number=SI5340B-D-GM, Pin Count=45, PressFit=No, Sense=No, SMD=Yes, Socket=No
IC13: "Highly Integrated, Full Featured Hi-Speed USB 2.0 ULPI Transceiver", Case=QFN32, Manufacturer="MICROCHIP TECHNOLOGY", Manufacturer Part Number=USB3320C-EZK, Author="CERN DEM JLC", Bonding=No, Component Type=Standard, ComponentHeight=1mm, CreateDate=7/22/2014, Device=USB3320C-EZK-TR, HelpURL=\\cern.ch\dfs\Applications\Altium\Datasheets\USB3320C-EZK-TR.pdf, LatestRevisionDate=6/2/2022, Mounted=Yes, PackageDescription="QFN, (MO-220-VHHD-2) 0.50mm Pitch, Square; 32 Pin, 5.00mm L X 5.00mm W X 1.00mm H body (w/Thermal Tab 3.40 X 3.40mm), IPC Medium Density", Part Description="Highly Integrated, Full Featured Hi-Speed USB 2.0 ULPI Transceiver", Part Number=USB3320C-EZK-TR, Pin Count=33, PressFit=No, Sense=No, SMD=Yes, Socket=No
IC14: "Programmable USB Type-C Controller with PD (Default SNK)", Case=QFN14, Manufacturer="ON SEMICONDUCTOR", Author="CERN DEM JMW", Bonding=No, Component Type=Standard, ComponentHeight=0.8mm, CreateDate=12/3/2019, Device=FUSB302BMPX, HelpURL=\\cern.ch\dfs\Applications\Altium\Datasheets\FUSB302BMPX.pdf, LatestRevisionDate=12/3/2019, Manufacturer Part Number=FUSB302BMPX, Mounted=Yes, PackageDescription="QFN, 0.50mm Pitch, Rect.; 4 Pin X 3 Pin, 2.50mm L X 2.50mm W X 0.80mm H body (w/Thermal Tab 1.45 X 1.45mm), IPC Medium Density", Part Description="Programmable USB Type-C Controller with PD (Default SNK)", Part Number=FUSB302BMPX, Pin Count=15, PressFit=No, Sense=No, SMD=Yes, Socket=No
IC18_FASTIC1 IC18_FASTIC2: Case=QFN89, Manufacturer=CERN, Author="CERN DEM HF", Bonding=No, Component Type=Standard, ComponentHeight=0.85mm, ComponentLink1Description="Package Drawing", ComponentLink1URL=\\cern.ch\dfs\Applications\Altium\Datasheets\FastIC+_Package.pdf, CreateDate=12/14/2023, Device=FastIC+, HelpURL=\\cern.ch\dfs\Applications\Altium\Datasheets\FastIC+.pdf, LatestRevisionDate=12/14/2023, Manufacturer Part Number=FastIC+, Mounted=Yes, PackageDescription="QFN, 0.40mm Pitch, Square; 89 Pin, 10.00mm L X 10.00mm W X 0.85mm H body (w/Thermal Tab 7.6 X 7.60mm), IPC Medium Density", Part Description="FastIC+ ASIC. Fast Integrated Circuit for  Readout of High-Performance Detectors with Embedded TDC", Part Number=FastIC+, Pin Count=89, PressFit=No, Sense=No, SMD=Yes, Socket=No
IC21: "4.2V TO 18V INPUT, 2A LOW IQ SYNCHRONOUS BUCK CONVERTER", Case=SOT23-6, Manufacturer="DIODES INCORPORATED", Manufacturer Part Number=AP62201WU, Author="CERN DEM HF", Bonding=No, Component Type=Standard, ComponentHeight=1.1mm, CreateDate=1/7/2022, Device=AP62201WU-7, HelpURL=\\cern.ch\dfs\Applications\Altium\Datasheets\AP6220x.pdf, LatestRevisionDate=3/21/2022, Mounted=Yes, PackageDescription="SOT23, 0.95mm Pitch; 6 Pin, 1.625mm W X 2.90mm L X 1.00mm H body, IPC Medium Density", Part Description="4.2V To 18V Input, 2A Low Iq Synchronous Buck Converter", Part Number=AP62201WU-7, Pin Count=6, PressFit=No, Sense=No, SMD=Yes, Socket=No
J1 J2 J4 J5: library part AMPHENOL_132203, Manufacturer=AMPHENOL, Manufacturer Part Number=132203, Author="CERN DEM MR", Component Type=Standard, ComponentHeight=10.44mm, CreateDate=10/6/2016, Family=SMA, HelpURL=\\cern.ch\dfs\Applications\Altium\Datasheets\AMPHENOL_132203.pdf, LatestRevisionDate=10/6/2016, Mounted=Yes, Part Description="50 Ohms SMA Through Hole Right Angle PCB Jack", Part Number=AMPHENOL_132203, Pin Count=5, PressFit=No, Sense=No, SMD=No, Socket=No, Status=None
J3: Package=None, Availability=Unavailable, MF="{'manufacturer': u'Samtec Inc.'}", MP=ERM8-020-X-X-DV, Price=None
J6: "TC2030-MCP and TC2030-MCP-NL Pad Contact", Author="CERN DEM HF", Component Type="Standard (No BOM)", ComponentHeight=0mm, CreateDate=3/27/2023, Family=TC2030-MCP, HelpURL=\\cern.ch\dfs\Applications\Altium\Datasheets\TC2030-MCP.pdf, LatestRevisionDate=3/27/2023, Mounted=No, PackageDescription="6 X 31mil Diameter SMD Pad For TC2030-MCP Legged Connector", Part Description="6 X 31mil Diameter SMD Pad For TC2030-MCP Legged Connector", Part Number=TC2030-MCP, Pin Count=6, Sense=No, SMD=Yes, Socket=No, Status=None
J7: library part GCT_USB4105-GF-A, "2x8 Pin + 1 Shield  USB Type C Receptacle", Manufacturer=GCT, Manufacturer Part Number=USB4105-GF-A, Author="CERN DEM HF", Component Type=Standard, ComponentHeight=3.31mm, CreateDate=10/12/2023, Family="USB 2.0", HelpURL=\\cern.ch\dfs\Applications\Altium\Datasheets\GCT_USB4105-GF-A.pdf, LatestRevisionDate=10/12/2023, Mounted=Yes, Part Description="USB 2.0 Type C Receptacle 16 Contacts, SMD, horizontal", Part Number=GCT_USB4105-GF-A, Pin Count=20, PressFit=No, Sense=No, SMD=Yes, Socket=No, Status=None